# KiCad board CM4ClusterHat.kicad_pcb (continued)
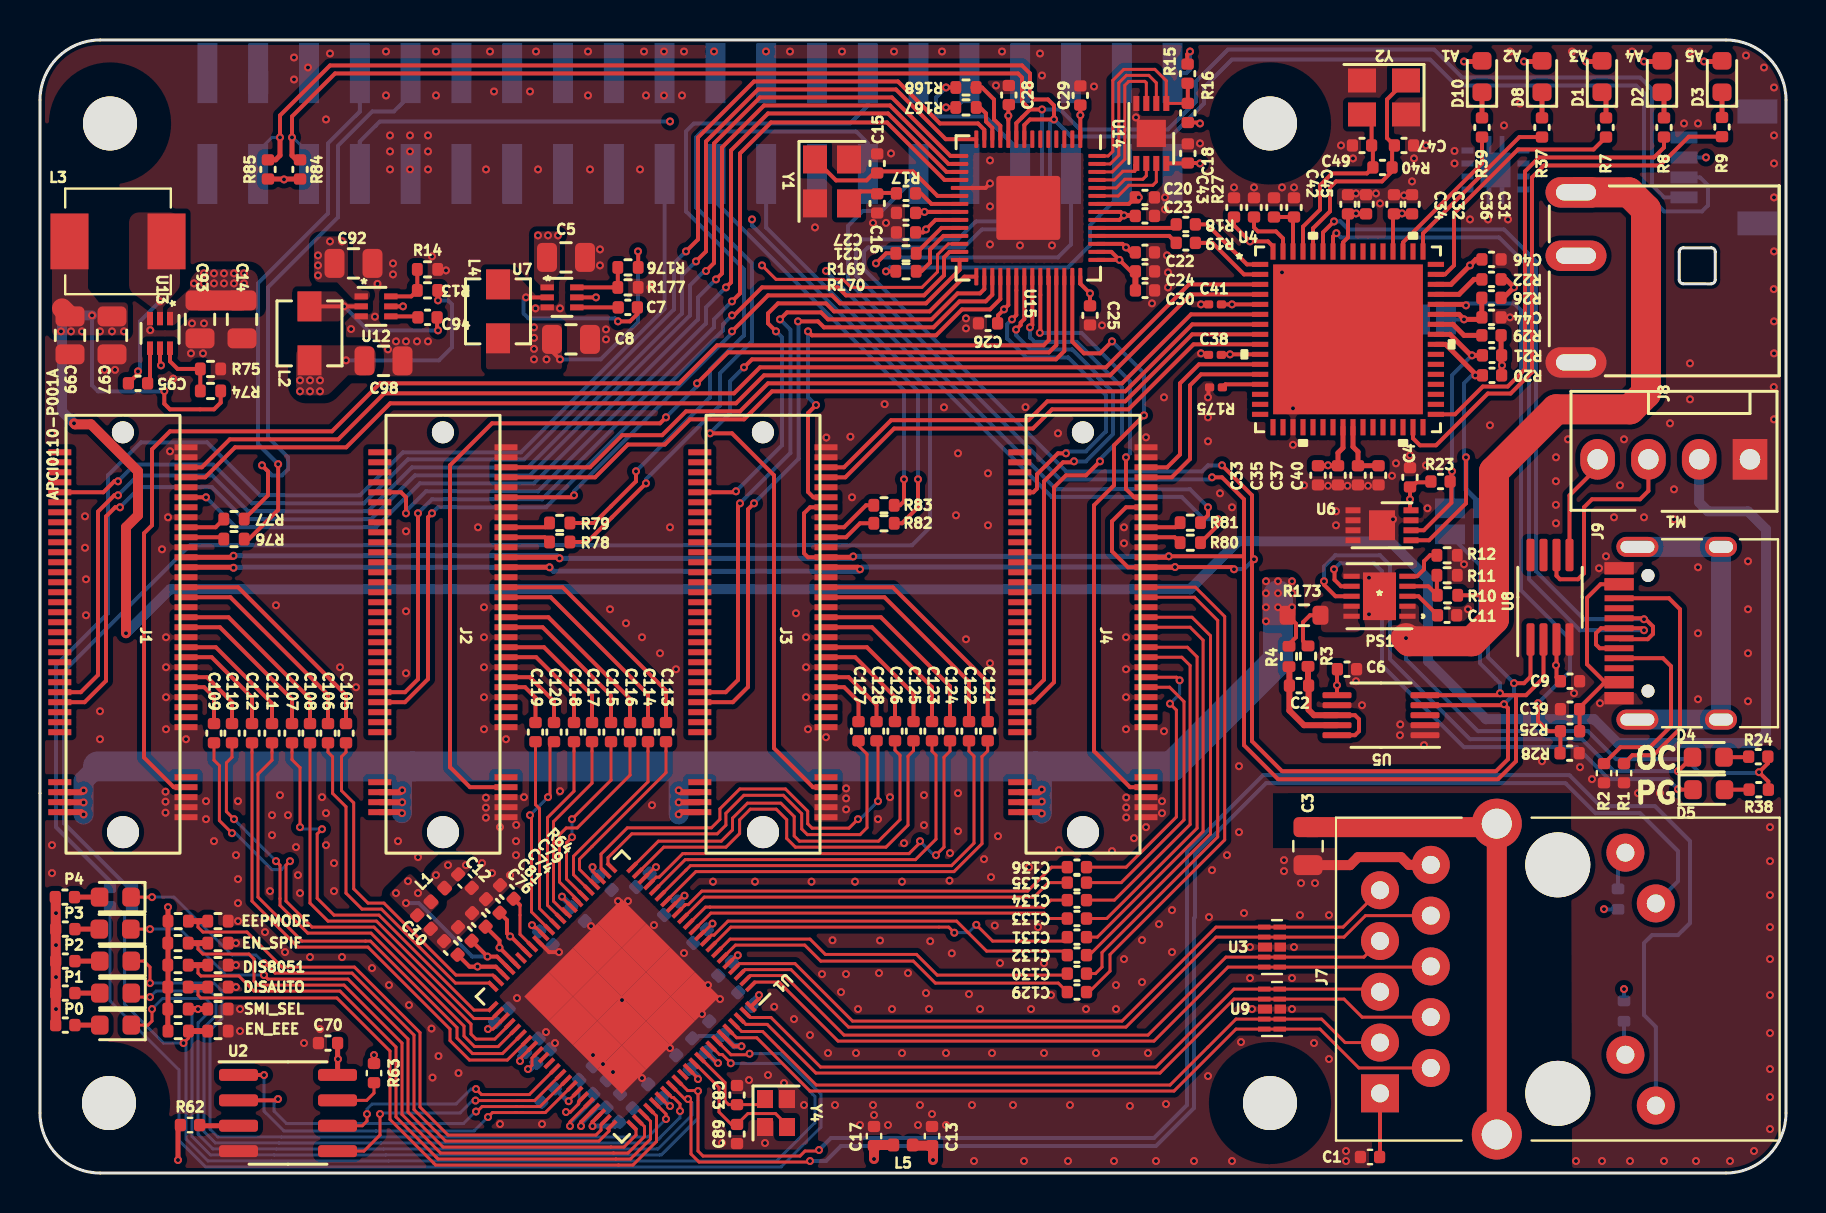
[diagram p0: board, top side]
## Footprints (pads in the part's own frame, mm; a bottom-side part is the same pattern mirrored in y, then rotated) (continued)
TPS73601DRBR
  rect 0.6x0.31 smd: 1(-1.4,0.975) 2(-1.4,0.325) 3(-1.4,-0.325) 4(-1.4,-0.975) 5(1.4,-0.975) 6(1.4,-0.325) 7(1.4,0.325) 8(1.4,0.975)
  rect 0.23x0.825 smd: 9(-0.325,-1.287) 9(-0.325,1.287) 9(0.325,-1.287) 9(0.325,1.287)
  rect 1.5x1.75 smd: 9(0,0)
USB2517-JZX
  rect 0.813x0.254 smd: 1(-4.394,3.75) 2(-4.394,3.25) 3(-4.394,2.75) 4(-4.394,2.25) 5(-4.394,1.75) 6(-4.394,1.25) 7(-4.394,0.75) 8(-4.394,0.25) 9(-4.394,-0.25) 10(-4.394,-0.75) 11(-4.394,-1.25) 12(-4.394,-1.75) 13(-4.394,-2.25) 14(-4.394,-2.75) 15(-4.394,-3.25) 16(-4.394,-3.75) 33(4.394,-3.75) 34(4.394,-3.25) 35(4.394,-2.75) 36(4.394,-2.25) 37(4.394,-1.75) 38(4.394,-1.25) 39(4.394,-0.75) 40(4.394,-0.25) 41(4.394,0.25) 42(4.394,0.75) 43(4.394,1.25) 44(4.394,1.75) 45(4.394,2.25) 46(4.394,2.75) 47(4.394,3.25) 48(4.394,3.75)
  rect 0.254x0.813 smd: 17(-3.75,-4.394) 18(-3.25,-4.394) 19(-2.75,-4.394) 20(-2.25,-4.394) 21(-1.75,-4.394) 22(-1.25,-4.394) 23(-0.75,-4.394) 24(-0.25,-4.394) 25(0.25,-4.394) 26(0.75,-4.394) 27(1.25,-4.394) 28(1.75,-4.394) 29(2.25,-4.394) 30(2.75,-4.394) 31(3.25,-4.394) 32(3.75,-4.394) 49(3.75,4.394) 50(3.25,4.394) 51(2.75,4.394) 52(2.25,4.394) 53(1.75,4.394) 54(1.25,4.394) 55(0.75,4.394) 56(0.25,4.394) 57(-0.25,4.394) 58(-0.75,4.394) 59(-1.25,4.394) 60(-1.75,4.394) 61(-2.25,4.394) 62(-2.75,4.394) 63(-3.25,4.394) 64(-3.75,4.394)
  rect 7.493x7.493 smd: 65(0,0)
USB_C_Receptacle_HRO_TYPE-C-31-M-12
  round 0.65 hole 0.65 unplated: (-2.89,2.6) (2.89,2.6)
  rect 0.6x1.45 smd: A1(-3.25,4.045) A4(-2.45,4.045) A9(2.45,4.045) A12(3.25,4.045) B1(3.25,4.045) B4(2.45,4.045) B9(-2.45,4.045) B12(-3.25,4.045)
  rect 0.3x1.45 smd: A5(-1.25,4.045) A6(-0.25,4.045) A7(0.25,4.045) A8(1.25,4.045) B5(1.75,4.045) B6(0.75,4.045) B7(-0.75,4.045) B8(-1.75,4.045)
  oval 1x2.1 hole 0.6x1.7: S1(-4.32,3.13) S1(4.32,3.13)
  oval 1x1.6 hole 0.6x1.2: S1(-4.32,-1.05) S1(4.32,-1.05)
VSSOP-10_3x3mm_P0.5mm
  rrect 1.45x0.3 smd: 1(-2.2,1) 2(-2.2,0.5) 3(-2.2,0) 4(-2.2,-0.5) 5(-2.2,-1) 6(2.2,-1) 7(2.2,-0.5) 8(2.2,0) 9(2.2,0.5) 10(2.2,1)
XTPS563202DRLR
  rect 0.67x0.3 smd: 1(-0.74,0.5) 2(-0.74,0) 3(-0.74,-0.5) 4(0.74,-0.5) 5(0.74,0) 6(0.74,0.5)

## Nets
+1V1: C10.2 C81.2 C88.2 C90.2 C98.1 L1.1 L2.2 R13.1 U1.41 U1.60 U1.64
+1V1_ANALOG: C12.2 C68.2 C71.2 C73.2 C75.2 C77.2 C79.2 C84.2 C86.2 L1.2 U1.10 U1.15 U1.20 U1.30 U1.38 U1.47 U1.53 U1.88
+3V3: C4.2 C6.1 C8.1 C9.2 C13.2 C18.1 C23.1 C24.1 C25.1 C26.1 C27.1 C28.1 C29.1 C30.1 C31.2 C32.2 C33.2 C34.2 C35.2 C36.2 C38.2 C41.2 C43.2 C46.2 C70.2 C80.2 D1.2 D2.2 D3.2 D8.2 D10.2 J6.2 L4.2 L5.1 R5.2 R6.2 R16.1 R20.1 R21.1 R22.1 R23.1 R26.1 R29.1 R50.1 R52.1 R54.1 R56.1 R58.1 R60.1 R62.2 R63.2 R69.1 R70.1 R71.1 R72.1 R73.1 R84.1 R85.1 R176.1 U1.63 U2.8 U4.5 U4.10 U4.24 U4.46 U4.52 U4.57 U4.64 U5.6 U6.8 U8.3 U14.8 U15.1 U15.10 U15.22 U15.33 U15.42 U15.43 U15.44 U15.48 U15.49
+3V3_ANALOG: C17.2 C69.2 C72.2 C74.2 C76.2 C78.2 C82.2 C85.2 C87.2 L5.2 R65.1 U1.5 U1.25 U1.35 U1.40 U1.42 U1.52 U1.77 U1.83
+5V: C97.1 C99.1 J5.2 J5.4 L3.2 M1.2 R74.1
GND: C1.1 C3.1 C4.1 C5.2 C6.2 C8.2 C9.1 C10.1 C11.2 C12.1 C13.1 C14.2 C15.2 C16.2 C17.1 C18.2 C20.2 C21.2 C22.2 C23.2 C24.2 C25.2 C26.2 C27.2 C28.2 C29.2 C30.2 C31.1 C32.1 C33.1 C34.1 C35.1 C36.1 C37.1 C38.1 C39.1 C40.1 C41.1 C42.1 C43.1 C44.1 C45.1 C46.1 C47.1 C49.1 C68.1 C69.1 C70.1 C71.1 C72.1 C73.1 C74.1 C75.1 C76.1 C77.1 C78.1 C79.1 C80.1 C81.1 C82.1 C83.1 C84.1 C85.1 C86.1 C87.1 C88.1 C89.1 C90.1 C92.2 C93.2 C97.2 C98.2 C99.2 IC1.5 IC1.6 IC1.7 IC1.8 J1.1 J1.3 J1.9 J1.15 J1.21 J1.27 J1.33 J1.39 J1.45 J1.51 J1.57 J1.71 J1.73 J1.75 J2.1 J2.3 J2.9 J2.13 J2.15 J2.21 J2.27 J2.33 J2.39 J2.45 J2.51 J2.57 J2.71 J2.73 J2.75 J3.1 J3.3 J3.9 J3.15 J3.21 J3.27 J3.33 J3.39 J3.45 J3.51 J3.57 J3.71 J3.73 J3.75 J4.1 J4.3 J4.9 J4.15 J4.21 J4.27 J4.33 J4.39 J4.45 J4.51 J4.57 J4.71 J4.73 J4.75 J5.6 J5.9 J5.14 J5.20 J5.25 J5.30 J5.34 J5.39 J6.1 J7.R10 J8.2 J9.A1 J9.A12 J9.B1 J9.B12 JP3.2 M1.1 PS1.6 PS1.11 R1.1 R2.1 R11.2 R12.2 R14.2 R27.2 R28.1 R51.2 R53.2 R55.2 R57.2 R59.2 R61.2 R64.1 R66.1 R67.1 R68.1 R75.2 R175.2 R177.2 U1.36 U1.89 U2.4 U3.3 U3.8 U4.19 U4.65 U5.1 U5.2 U5.7 U6.1 U6.2 U6.3 U6.4 U6.7 U6.9 U7.3 U8.4 U9.3 U9.8 U12.3 U13.3 U14.4 U15.19 U15.57 Y1.2 Y1.4 Y2.2 Y2.4 Y4.2 Y4.4
VBUS_ETH: C39.2 J9.A4 J9.A9 J9.B4 J9.B9 R25.1
/QSPI_SCLK: U14.6 U15.52
/QSPI_SD0: U14.5 U15.53
/QSPI_SD1: U14.2 U15.55
/QSPI_SD2: U14.3 U15.54
/QSPI_SD3: U14.7 U15.51
/QSPI_SS: R15.1 R16.2 U14.1 U15.56
BOOT1: J1.50 U15.14
BOOT2: J2.50 U15.18
BOOT3: J3.50 U15.30
BOOT4: J4.50 U15.35
CFG_SEL0: JP1.1 R21.2 R23.2 U4.41 U6.6
CFG_SEL1: R29.2 U4.42
CFG_SEL2: R175.1 U4.13
DISABLE_8051: R54.2 R55.1 U1.69
DISABLE_AUTOLOAD: R56.2 R57.1 U1.70
EEPROM_MODE: R50.2 R51.1 U1.65
EN1: J1.11 U15.16
EN2: J2.11 U15.28
EN3: J3.11 U15.32
EN4: J4.11 U15.37
EN_EEE: R60.2 R61.1 R166.2 U1.81
EN_SPIFLASH: R52.2 R53.1 U1.68
ETH1_P0+: C105.1 J1.29
ETH1_P0-: C106.1 J1.31
ETH1_P1+: C107.1 J1.37
ETH1_P1-: C108.1 J1.35
ETH1_P2+: C111.1 J1.41
ETH1_P2-: C112.1 J1.43
ETH1_P3+: C109.1 J1.49
ETH1_P3-: C110.1 J1.47
ETH2_P0+: C113.1 J2.29
ETH2_P0-: C114.1 J2.31
ETH2_P1+: C115.1 J2.37
ETH2_P1-: C116.1 J2.35
ETH2_P2+: C117.1 J2.41
ETH2_P2-: C118.1 J2.43
ETH2_P3+: C119.1 J2.49
ETH2_P3-: C120.1 J2.47
ETH3_P0+: C121.1 J3.29
ETH3_P0-: C122.1 J3.31
ETH3_P1+: C123.1 J3.37
ETH3_P1-: C124.1 J3.35
ETH3_P2+: C125.1 J3.41
ETH3_P2-: C126.1 J3.43
ETH3_P3+: C127.1 J3.49
ETH3_P3-: C128.1 J3.47
ETH4_P0+: C129.1 J4.29
ETH4_P0-: C130.1 J4.31
ETH4_P1+: C131.1 J4.37
ETH4_P1-: C132.1 J4.35
ETH4_P2+: C133.1 J4.41
ETH4_P2-: C134.1 J4.43
ETH4_P3+: C135.1 J4.49
ETH4_P3-: C136.1 J4.47
ISENSE_0: J1.69 U15.38
ISENSE_1: J2.69 U15.39
ISENSE_2: J3.69 U15.40
ISENSE_3: J4.69 U15.41
ISENSE_SYS_N: C5.1 C14.1 C92.1 C93.1 J1.70 J1.72 J1.74 J2.70 J2.72 J2.74 J3.70 J3.72 J3.74 J4.70 J4.72 J4.74 R4.2 R173.1 U7.1 U7.5 U12.1 U12.5 U13.1 U13.5
ISENSE_SYS_P: PS1.9 PS1.10 R3.2 R173.2
LED_A1_N: R39.1 U4.51
LED_A2_N: R37.1 U4.49
LED_A3_N: R7.1 U4.47
LED_A4_N: R8.1 U4.33
LED_A5_N: R9.1 U4.31
LED_B1_N: U4.50
LED_B2_N: U4.48
LED_B3_N: U4.34
LED_B4_N: U4.32
LED_B5_N: U4.18
MDC: J5.23 R166.1
MDIO: J5.19 R174.1
P0_LED0: J7.L4 R58.2 R59.1 U1.75
P0_LED1: D19.1 J7.L2 U1.74
P1_LED1: D18.1 U1.73
P2_LED1: D17.1 U1.71
P3_LED1: D16.1 U1.67
P4_LED1: D15.1 U1.66
PICO_RST: J5.22 U15.26
RPI_ACT_LED1: J1.54
RPI_ACT_LED2: J2.54
RPI_ACT_LED3: J3.54
RPI_ACT_LED4: J4.54
RST1: J1.10 U15.13
RST2: J2.10 U15.17
RST3: J3.10 U15.29
RST4: J4.10 U15.34
RUN1: J1.52 U15.15
RUN2: J2.52 U15.27
RUN3: J3.52 U15.31
RUN4: J4.52 U15.36
SCL_RPI: J1.23 J2.23 J3.13 J3.23 J4.23 J5.5 J6.4 JP1.2 R84.2 U5.5 U8.2 U15.9
SDA_RPI: J1.25 J2.25 J3.25 J4.13 J4.25 J5.3 J6.3 JP2.2 R85.2 U5.4 U8.1 U15.8
SDA_USBHUB: JP2.1 R20.2 U4.40 U6.5
SPI_CS: U1.59 U2.1
SPI_D0: U1.57 U2.5
SPI_D1: U1.58 U2.2
SPI_SCK: U1.56 U2.6
SWCLK: R169.2 U15.24
SWD: R170.2 U15.25
UART_RX1: J1.19 R76.2
UART_RX2: J2.19 R78.1
UART_RX3: J3.19 R82.1
UART_RX4: J4.19 R80.1
UART_RX5: R167.1 U15.12
UART_TX1: J1.17 R77.2
UART_TX2: J2.17 R79.1
UART_TX3: J3.17 R83.1
UART_TX4: J4.17 R81.1
UART_TX5: R168.1 U15.11
USB1_DN: J1.7 U4.4
USB1_DP: J1.5 U4.3
USB2_DN: J2.7 U4.7
USB2_DP: J2.5 U4.6
USB3_DN: J3.7 U4.9
USB3_DP: J3.5 U4.8
USB4_DN: J4.7 U4.12
USB4_DP: J4.5 U4.11
USB_D+: J9.A6 J9.B6 U4.59
USB_D-: J9.A7 J9.B7 U4.58
USBHUB_RESET: C44.2 JP3.1 R26.2 U4.43
USBpico_DN: R19.1 U4.2
USBpico_DP: R18.1 U4.1
~{USB_BOOT}: J5.40 R15.2
Net-(C1-Pad2): C1.2 J7.R1
Net-(C2-Pad1): C2.1 R4.1 U5.9
Net-(C2-Pad2): C2.2 R3.1 U5.8 U5.10
Net-(C3-Pad2): C3.2 J7.SH
Net-(C7-Pad1): C7.1 U7.4
Net-(C7-Pad2): C7.2 L4.1 U7.2
Net-(C11-Pad1): C11.1 PS1.3
Net-(C15-Pad1): C15.1 U15.20 Y1.1
Net-(C16-Pad1): C16.1 R17.2 Y1.3
Net-(C20-Pad1): C20.1 C21.1 C22.1 U15.23 U15.45 U15.50
Net-(C37-Pad2): C37.2 C40.2 U4.25
Net-(C42-Pad2): C42.2 C45.2 U4.62
Net-(C83-Pad2): C83.2 U1.79 Y4.1
Net-(C89-Pad2): C89.2 U1.78 Y4.3
Net-(C94-Pad1): C94.1 U12.4
Net-(C94-Pad2): C94.2 L2.1 U12.2
Net-(C95-Pad1): C95.1 U13.4
Net-(C95-Pad2): C95.2 L3.1 U13.2
Net-(C105-Pad2): C105.2 U1.43
Net-(C106-Pad2): C106.2 U1.44
Net-(C107-Pad2): C107.2 U1.45
Net-(C108-Pad2): C108.2 U1.46
Net-(C109-Pad2): C109.2 U1.48
Net-(C110-Pad2): C110.2 U1.49
Net-(C111-Pad2): C111.2 U1.50
Net-(C112-Pad2): C112.2 U1.51
Net-(C113-Pad2): C113.2 U1.26
Net-(C114-Pad2): C114.2 U1.27
Net-(C115-Pad2): C115.2 U1.28
Net-(C116-Pad2): C116.2 U1.29
Net-(C117-Pad2): C117.2 U1.31
Net-(C118-Pad2): C118.2 U1.32
Net-(C119-Pad2): C119.2 U1.33
Net-(C120-Pad2): C120.2 U1.34
Net-(C121-Pad2): C121.2 U1.16
Net-(C122-Pad2): C122.2 U1.17
Net-(C123-Pad2): C123.2 U1.18
Net-(C124-Pad2): C124.2 U1.19
Net-(C125-Pad2): C125.2 U1.21
Net-(C126-Pad2): C126.2 U1.22
Net-(C127-Pad2): C127.2 U1.23
Net-(C128-Pad2): C128.2 U1.24
Net-(C129-Pad2): C129.2 U1.6
Net-(C130-Pad2): C130.2 U1.7
Net-(C131-Pad2): C131.2 U1.8
Net-(C132-Pad2): C132.2 U1.9
Net-(C133-Pad2): C133.2 U1.11
Net-(C134-Pad2): C134.2 U1.12
Net-(C135-Pad2): C135.2 U1.13
Net-(C136-Pad2): C136.2 U1.14
Net-(D1-Pad1): D1.1 R7.2
Net-(D2-Pad1): D2.1 R8.2
Net-(D3-Pad1): D3.1 R9.2
Net-(D4-Pad1): D4.1 PS1.8
Net-(D4-Pad2): D4.2 R24.1
Net-(D5-Pad1): D5.1 PS1.7
Net-(D5-Pad2): D5.2 R38.1
Net-(D8-Pad1): D8.1 R37.2
Net-(D10-Pad1): D10.1 R39.2
Net-(D16-Pad2): D16.2 R70.2
Net-(D17-Pad2): D17.2 R71.2
Net-(D18-Pad2): D18.2 R72.2
Net-(D19-Pad2): D19.2 R73.2
Net-(IC1-Pad1): IC1.1 IC1.2 IC1.3 IC1.4 J8.1 PS1.1 PS1.2 R10.1 R24.2 R38.2
Net-(J5-Pad7): J5.7 R80.2
Net-(J5-Pad8): J5.8 R76.1
Net-(J5-Pad10): J5.10 R77.1
Net-(J5-Pad21): J5.21 R83.2
Net-(J5-Pad24): J5.24 R82.2
Net-(J5-Pad27): J5.27 R78.2
Net-(J5-Pad28): J5.28 R79.2
Net-(J5-Pad29): J5.29 R81.2
Net-(J5-Pad32): J5.32 R167.2
Net-(J5-Pad33): J5.33 R168.2
Net-(J5-Pad35): J5.35 R169.1
Net-(J5-Pad37): J5.37 R170.1
Net-(J7-PadL1): J7.L1 R5.1
Net-(J7-PadL3): J7.L3 R6.1
Net-(J7-PadR2): J7.R2 U1.84 U9.5 U9.6
Net-(J7-PadR3): J7.R3 U1.85 U9.4 U9.7
Net-(J7-PadR4): J7.R4 U1.86 U9.2 U9.9
Net-(J7-PadR5): J7.R5 U1.87 U9.1 U9.10
Net-(J7-PadR6): J7.R6 U1.1 U3.5 U3.6
Net-(J7-PadR7): J7.R7 U1.2 U3.4 U3.7
Net-(J7-PadR8): J7.R8 U1.3 U3.2 U3.9
Net-(J7-PadR9): J7.R9 U1.4 U3.1 U3.10
Net-(J9-PadA5): J9.A5 R2.2
Net-(J9-PadB5): J9.B5 R1.2
Net-(M1-Pad3): M1.3 U8.6
Net-(M1-Pad4): M1.4 U8.5
Net-(PS1-Pad4): PS1.4 R10.2 R11.1
Net-(PS1-Pad5): PS1.5 R12.1
Net-(R13-Pad2): R13.2 R14.1 U12.6
Net-(R17-Pad1): R17.1 U15.21
Net-(R18-Pad2): R18.2 U15.47
Net-(R19-Pad2): R19.2 U15.46
Net-(R22-Pad2): R22.2 U4.45
Net-(R25-Pad2): R25.2 R28.2 U4.44
Net-(R64-Pad2): R64.2 U1.37
Net-(R65-Pad2): R65.2 U1.80
Net-(R66-Pad2): R66.2 U1.61
Net-(R67-Pad2): R67.2 U1.62
Net-(R68-Pad2): R68.2 U1.72
Net-(R69-Pad2): D15.2 R69.2
Net-(R74-Pad2): R74.2 R75.1 U13.6
Net-(R174-Pad2): R174.2 U1.82
Net-(R176-Pad2): R176.2 R177.1 U7.6
Net-(U2-Pad3): R62.1 U2.3
Net-(U2-Pad7): R63.1 U2.7
Net-(U4-Pad60): C47.2 R40.1 U4.60 Y2.1
Net-(U4-Pad61): C49.2 R40.2 U4.61 Y2.3
Net-(U4-Pad63): R27.1 U4.63

Pads without a net: IC1 9; J1 2 4 6 8 12 13 14 16 18 20 22 24 26 28 30 32 34 36 38 40 42 44 46 48 53 55 56 58 67 68; J2 2 4 6 8 12 14 16 18 20 22 24 26 28 30 32 34 36 38 40 42 44 46 48 53 55 56 58 67 68; J3 2 4 6 8 12 14 16 18 20 22 24 26 28 30 32 34 36 38 40 42 44 46 48 53 55 56 58 67 68; J4 2 4 6 8 12 14 16 18 20 22 24 26 28 30 32 34 36 38 40 42 44 46 48 53 55 56 58 67 68; J5 1 11 12 13 15 16 17 18 26 31 36 38; J6 NC1 NC2; J8 3; J9 A8 B8 S1; U1 39 54 55 76; U4 14 15 16 17 20 21 22 23 26 27 28 29 30 35 36 37 38 39 53 54 55 56; U5 3; U8 7 8; U15 2 3 4 5 6 7

## Via types
v1: diameter 0.4, hole 0.2, Top to Bottom, 758 vias

## Routing (per net, layer and track width the routed paths; a pad name or vN(x,y) marks a point on that pad's centre or on a via; arc(x,y) is an arc through that point)
+1V1: length 65.2
  Top w0.15: U1.60 26.43,3.63 v1(26.43,3.59)
  Top w0.2: U1.64 27.62,2.56 v1(27.62,2.35) ; 19.89,44.15 19.89,43.66 v1(19.9,43.65) ; U1.41 22.85,10.83 v1(22.37,10.83) C81.2
  In2.Cu w0.3: 18.2,14.2 18.3,14.1 18.3,9.3 24.01,3.59 v1(26.43,3.59) 26.51,3.59 27.62,2.48 v1(27.62,2.35)
  In2.Cu w1.5: 18.2,14.2 15.7,16.7 15.7,20.2 13.5,22.4 v1(13.5,39.1)
  Bottom w0.2: v1(15.3,40.65) 19.95,40.65 20.6,41.3 20.6,43.45 20.4,43.65 v1(19.9,43.65) ; v1(27.62,2.35) 28.25,2.35 28.25,2.35 ; v1(18.3,13.5) 18.94,13.5 21.61,10.83 v1(22.37,10.83)
  Bottom w0.25: v1(26.43,3.59) 26.39,3.59 C88.2 ; v1(27.62,2.35) 28.75,2.35 C90.2
  vias: v1(13,39.65) v1(13,39.1) v1(13.5,39.65) v1(14,39.65) v1(14,39.1) v1(17.8,14) v1(18.4,14.6) v1(18.9,14)
+1V1_ANALOG: length 13
  Top w0.15: 31.53,13.25 32.18,13.9 32.2,13.9 ; 30.12,14.66 30.75,15.3 v1(30.8,15.3) ; U1.10 33.03,11.89 33.6,12.46 ; v1(24.4,5.2) 24.41,5.2 24.6,5.39 24.6,5.75 24.99,6.14 ; 23.5,11.87 23.5,11.9 ; 22.6,7.2 22.65,7.2 23.29,7.84 ; 26.69,13.21 26.1,13.8
  Top w0.2: v1(35.95,8.9) 35.95,8.72 U1.88 ; U1.38 23.54,11.83 v1(23.51,11.83) 23.35,11.99 23.35,12.65 C79.2
  Bottom w0.3: 33.6,12.47 33.37,12.25 ; 30.48,15 30.5,15 v1(30.8,15.3) ; 35.55,8.4 35.62,8.47 35.62,8.58 v1(35.95,8.9) ; 24.92,5.62 24.5,5.2 v1(24.4,5.2) ; 22.87,7.67 v1(22.4,7.2) ; 32.2,13.9 31.87,13.58 ; 26.55,13.35 26.55,13.38 v1(26.1,13.83)
  vias: v1(19.8,14.9) v1(20.4,15.4) v1(21.3,15.4) v1(32.23,13.88) v1(33.62,12.47)
+3V3: length 88.4
  Top w0.2: C8.1 25.6,41.1 v1(26,40.7) ; U14.8 57.37,50.5 C18.1 57.98,50.52 v1(58,50.5) ; C43.2 59.7,47.4 v1(60.5,46.6) 61.4,46.6 61.65,46.35 U4.64 ; 45.02,48.08 44.09,48.08 44.04,48.02 ; 45.02,48.08 45.98,48.08 ; 45.02,48.08 v1(44.23,48.08) ; 52.85,46.08 53.57,46.08 54.09,45.56 ; U4.52 67.65,47.91 ; C38.2 59.09,40.95 v1(59.5,40.95) U4.10 ; v1(58,52.5) 57.95,52.55 R16.1 ; U1.63 27.05,2.55 v1(27.05,2.35) ; U15.42 52.02,44.48 v1(52.5,44) C25.1 ; 48.42,52.68 v1(48.42,52.88) ; 48.42,52.68 U15.10 ; 48.42,52.68 48.42,53.41 C28.1 ; C6.1 64.85,25.18 U5.6 ; U4.5 v1(59.6,43.45) C41.2 ; R176.1 29.91,46.09 v1(29.9,46.1) ; 69.58,34.55 68.83,34.55 68.5,34.22 68.5,33.25 ; C24.1 54.55,45.1 54.09,45.56 ; 52.85,48.08 54.02,48.08 v1(54.2,47.9) 53.98,47.67 U15.48 ; 54.09,45.56 v1(53.97,45.67) U15.43 ; U4.57 65.15,46.55 65.4,46.8 65.4,47.9 ; C29.1 v1(52.02,52.92) U15.1 ; 47.9,42.6 47.9,42.9 48.42,43.42 U15.33 ; C9.2 75.83,24.8 U8.3
  Top w0.25: D8.2 75.07,55.6 v1(74.2,55.6) ; C34.2 C32.2 ; U4.24 65.15,36.27 64.9,36.02 C35.2 C33.2 ; 16.7,5.32 v1(16.7,5.9) ; R60.1 6.39,7.11 R58.1 6.4,8.21 R50.1 v1(6.4,13.3) ; 71.9,55.61 71.89,55.6 v1(71.2,55.6) ; v1(77.3,55.6) 78.29,55.6 ; R26.1 73.17,43.77 v1(73.7,44.3) 73.3,44.7 R22.1 ; D3.2 84.07,55.6 v1(83.2,55.6) ; v1(80.2,55.6) 81.13,55.6 ; C70.2 14.88,4.91 14.88,4.91 ; C46.2 71.8,45.7 70.55,44.45 U4.46 ; R85.1 12.18,49.72 v1(12.2,49.7) 12.22,49.72 R84.1 ; C23.1 54.74,47.9 v1(54.2,47.9) ; C36.2 C31.2 ; R29.1 73.05,39.92 R20.1 ; 6.92,2.4 6.9,2.38 v1(6.9,0.65)
  Top w0.3: C24.1 C30.1
  Top w0.5: R69.1 0.78,13.78 R72.1 R73.1 ; L5.1 43.67,1.37 C13.2 44.65,1.32 v1(44.65,0.65)
  Bottom w0.2: v1(83.3,50.8) 83.3,50.8 J6.2 ; v1(78.2,13.2) 78.21,13.19 R5.2 ; v1(26,40.7) 28.04,40.7 29.9,42.56 v1(29.9,46.1) ; R6.2 v1(79.2,9.2) ; 27.05,2.44 v1(27.05,2.35)
  Bottom w0.25: v1(27.05,2.35) 27.05,2.47 27.86,3.28 C80.2
  vias: v1(0.8,13) v1(0.8,11.4) v1(0.8,9.8) v1(0.8,8.2) v1(14.9,5.7) v1(24.7,42.3) v1(24.7,41.77) v1(24.7,41.22) v1(24.7,40.7) v1(25.33,40.7) v1(48.2,43.2) v1(64.4,35.4) v1(64.85,24.4) v1(65.8,48) v1(68.1,48) v1(68.5,33.7) v1(71.5,45.4) v1(73.1,40.4) v1(75.8,25.4)
+3V3_ANALOG: length 68.2
  Top w0.15: v1(24,5.6) 24,5.72 24.71,6.43 ; 23.86,10.39 23,11.24 23,11.3 ; v1(34.89,10.89) 34.83,10.89 34.32,10.39 ; 24.8,12.27 24.8,12.27 25.27,11.8 ; 24.8,12.27 U1.35 ; 24.8,12.27 24.73,12.27 v1(24.6,12.4) ; v1(27.63,15.3) 27.63,15.1 U1.25 ; U1.77 32.9,4.74 v1(32.9,4.7) ; 23.29,9.82 22.81,10.3 21.49,10.3
  Top w0.2: U1.83 34.69,6.34 v1(35.07,6.34) ; U1.40 23.77,10.48 v1(22.98,11.27) 22.98,11.62 C74.2 ; C76.2 21.48,10.33 v1(21.87,10.33) 22.79,10.33 U1.42
  Top w0.5: L5.2 41.73,1.4 C17.2 v1(41.7,0.7)
  In2.Cu w0.3: 34.17,7.22 35.06,6.34 v1(35.07,6.34) ; v1(24.6,12.4) 25.27,11.72 25.27,11.62 ; v1(22.98,11.27) 23.83,10.42 23.83,10.17 ; v1(24,5.6) 24,6.1
  In2.Cu w0.5: 23.67,10.58 24.23,10.58 ; 23.67,10.58 v1(22.98,11.27) ; 23.67,10.58 23.67,10.33 23.83,10.17 ; v1(32.9,4.7) 32.9,5.95 ; v1(27.63,15.3) 27.85,15.3 28.4,14.75 ; 34.87,7.92 35.62,7.92 38.9,4.65 38.9,2.65 40.85,0.7 v1(41.7,0.7) ; 23.05,9.4 22.8,9.4 v1(21.87,10.33) ; v1(34.89,10.89) 34.35,10.35
  In2.Cu w0.8: 32.9,5.95 34.87,7.92 34.87,9.83 29.95,14.75 28.4,14.75 23.05,9.4 23.05,8.05 24,7.1 24,6.1
  Bottom w0.2: 34.03,7.02 33.85,6.85 32.95,6.85 32.72,6.63
  Bottom w0.3: 34.48,10.44 34.9,10.86 34.9,10.88 ; 24.37,6.17 24,5.8 v1(24,5.6) ; v1(35.07,6.34) 34.71,6.34 34.03,7.02 ; 32.89,4.72 32.89,4.83 32.52,5.2 32.5,5.2 ; 34.1,6.95 34.11,6.95 ; 27.92,14.85 27.63,15.15 v1(27.63,15.3) ; v1(24.6,12.4) 24.9,12.1
+5V: length 139.2
  Top w0.2: v1(6.22,39.11) 6.22,38.48 6.49,38.2 8.7,38.2 9.03,38.53 R74.1
  Top w0.5: v1(4.3,27) 4.3,32.3 4.9,32.9 4.9,35.1 2.55,37.45 1.75,37.45 v1(1.7,37.5)
  Top w1: C99.1 1.1,43.25
  Bottom w0.2: v1(2.6,42.9) 2.6,39.4 2.9,39.1 6.26,39.1
  Bottom w0.5: v1(1.7,37.5) 1.1,38.1 1.1,42.7 1.3,42.9 v1(2.6,42.9) ; 82.96,35.3 82.96,33.54 83.4,33.1 85.4,33.1 86.3,32.2 86.3,22 85.8,21.5 78.9,21.5 77.7,22.7 72.3,22.7 69.4,25.6 69.4,29.7 67.5,31.6 59.9,31.6 57.5,29.2 6.5,29.2 v1(4.3,27)
  Bottom w1: J5.4 10.91,54.06
  vias: v1(1.05,42.1) v1(1.55,42.1) v1(2.1,42.1) v1(3,42.1) v1(3.6,42.1) v1(4.2,42.1)
GND: length 9.9
  Top w0.2: U15.19 47.27,49.27 v1(47.5,49.5) ; U1.36 25.46,11.05 v1(25.95,11.05) ; 58.42,39.35 58.42,38.83 v1(58.4,38.8)
  Top w0.5: J7.R10 68.43,15.41 68.05,15.8 65.9,15.8 65.5,15.4 C3.1
  vias: v1(0.6,37) v1(0.6,16.4) v1(0.6,15) v1(2.25,32.85) v1(2.25,31.27) v1(2.3,29.7) v1(2.3,27.9) v1(3,23.1) v1(3,21.7) v1(3.22,40.17) v1(3.75,40.17) v1(5.51,42.16) v1(6.1,31.2) v1(6.3,26.8) v1(6.3,25.3) v1(6.3,23.8) v1(6.3,22.2) v1(6.27,19.08) v1(6.27,18.58) v1(6.27,18.02) v1(6.4,32.8) v1(6.5,36.1) v1(6.66,39.73) v1(7.3,21.7) v1(7.55,41) v1(7.6,42.5) v1(8.15,41) v1(8.2,42.5) v1(8.3,18.6) v1(8.3,17.7) v1(8.7,16.6) v1(9.8,15.9) v1(9.8,11.5) v1(9.8,10.4) v1(9.8,9.3) v1(9.9,18.6) v1(9.9,14.7) v1(9.9,13.5) v1(9.9,12.6) v1(10,8.2) v1(10,7.1) v1(11.25,12.05) v1(11.5,14.1) v1(11.6,17.9) v1(11.6,16.9) v1(11.8,28.4) v1(12,18.9) v1(12.25,11.05) v1(12.4,17.9) v1(12.7,55.8) v1(12.7,54.7) v1(12.8,16.3) v1(12.9,14.9) v1(13,14) v1(13.2,6.5) v1(13.4,55.3) v1(13.5,10.8) v1(14,7.2) v1(14.1,18.8) v1(14.3,52.7) v1(14.3,18) v1(14.3,16.4) v1(14.5,56) v1(14.7,15.5) v1(14.7,14.1) v1(15,25.3) v1(15.1,10.8) v1(15.55,42.22) v1(15.8,24.3) v1(16.6,10.25) v1(16.74,42.83) v1(16.88,44.47) v1(17.3,56.1) v1(17.3,53.9) v1(17.4,41.2) v1(17.5,51.9) v1(17.5,51.1) v1(17.5,50.2) v1(17.45,9.4) v1(17.65,45.5) v1(17.65,44.95) v1(17.8,41.6) v1(17.9,16.6) v1(18.3,41.6) v1(18.3,32.1) v1(18.3,28.1) v1(18.3,25) v1(18.5,51.9) v1(18.5,51.1) v1(18.5,50.2) v1(18.45,8.4) v1(18.85,41.6) v1(18.9,15.8) v1(19.4,51.9) v1(19.4,51.1) v1(19.4,50.2) v1(19.4,41.6) v1(19.6,45.85) v1(19.58,7.22) v1(19.62,4.77) v1(19.8,56.1) v1(19.8,53.9) v1(19.92,5.85) v1(20.3,45.15) v1(20.92,5) v1(21.9,32.3) v1(22.1,15.5) v1(22.2,28.3) v1(22.2,26.8) v1(22.2,25.3) v1(22.2,23.8) v1(22.2,22.2) v1(22.3,50.2) v1(22.3,18.77) v1(22.3,18.27) v1(22.3,17.77) v1(22.5,56.1) v1(22.6,15) v1(22.7,54.1) v1(23,17.3) v1(23,2.45) v1(23.3,21.7) v1(23.5,14.9) v1(23.81,17.41) v1(23.8,16.6) v1(23.8,15.9) v1(23.85,8.75) v1(24.2,18.8) v1(24.5,54.1) v1(24.8,56.1) v1(24.77,43.25) v1(24.9,50.2) v1(25.1,2.45) v1(25.3,7.05) v1(25.75,6.5) v1(26,43.25) v1(26,19.1) v1(27.4,56.1) v1(27.4,53.9) v1(27.5,50.2) v1(27.55,12.35) v1(27.65,5.9) v1(28,46.2) v1(28,45.4) v1(28.15,5.45) v1(28.3,42.2) v1(28.3,41.7) v1(28.5,28.2) v1(28.65,5.05) v1(28.9,13.6) v1(29.1,8.65) v1(29.3,27.5) v1(29.4,13.6) v1(30,50.2) v1(30.1,26.8) v1(30.1,4.75) v1(30.2,56.1) v1(30.3,53.9) v1(30.52,44.3) v1(30.6,18.4) v1(30.7,12.4) v1(31,26) v1(31.2,56.1) v1(31.2,53.9) v1(31.5,32.3) v1(31.5,6.25) v1(31.8,25.2) v1(32.1,53.9) v1(32.2,56.1) v1(32.2,11) v1(33.1,7.95) v1(33.4,9.4) v1(33.65,14.58) v1(34,8.7) v1(34.1,1.5) v1(35.45,4.65) v1(35.75,14.58) v1(36.25,1.5) v1(36.4,4.9) v1(36.71,8.31) v1(37.2,4.5) v1(37.5,56.1) v1(37.7,7.7) v1(37.8,28) v1(38.2,3.4) v1(38.3,26.8) v1(38.3,25.3) v1(38.3,23.8) v1(38.4,22.2) v1(38.5,6.9) v1(38.58,14.58) v1(38.75,47.3) v1(39.1,9.95) v1(39.31,36.79) v1(39.3,21.8) v1(39.4,6) v1(39.62,11.64) v1(39.75,3.4) v1(40.1,56.1) v1(40.05,9.05) v1(40.3,19.24) v1(40.3,18.74) v1(40.3,18.19) v1(40.3,9.95) v1(40.52,36.83) v1(40.6,33.8) v1(40.75,14.58) v1(40.8,6) v1(40.9,8.2) v1(41,2.4) v1(41.65,47.52) v1(41.65,3.4) v1(41.7,2.9) v1(41.9,17.7) v1(42,11.63) v1(41.95,10) v1(42.23,38.46) v1(42.3,47.52) v1(42.4,2.4) v1(42.55,51) v1(42.5,18.8) v1(42.6,8.2) v1(42.7,56.1) v1(43.1,14.58) v1(43.1,6) v1(43.2,16.5) v1(43.4,10) v1(43.9,2.4) v1(44,3.4) v1(44.2,18.9) v1(44.2,17.4) v1(44.3,9) v1(44.51,11.59) v1(44.45,8.2) v1(44.6,2.95) v1(45.1,56.1) v1(45.2,38.3) v1(45.3,6) v1(45.3,2.4) v1(45.5,16) v1(45.48,14.62) v1(45.59,10.99) v1(45.8,32.9) v1(45.9,36) v1(45.9,19) v1(45.9,17.1) v1(46.3,42.75) v1(46.3,42.25) v1(46.3,26.7) v1(46.45,8.95) v1(46.6,3.4) v1(46.7,0.6) v1(47,8.2) v1(47.2,15.7) v1(47.4,35) v1(47.4,32.4) v1(47.5,50.65) v1(47.5,48.35) v1(47.5,46.45) v1(47.5,25.5) v1(47.55,14.8) v1(47.6,6) v1(47.74,12.38) v1(47.8,54.4) v1(47.9,16.85) v1(48,10.5) v1(48.1,56.1) v1(48.65,3.4) v1(48.8,8.9) v1(49,46.4) v1(49.2,0.6) v1(49.27,38.31) v1(49.45,15.3) v1(49.55,8.2) v1(49.9,12.3) v1(50,56) v1(50.1,54.9) v1(50.2,10.5) v1(50.2,6) v1(50.55,8.9) v1(50.6,46.4) v1(50.9,37) v1(50.95,16.15) v1(51.4,0.6) v1(51.5,3.4) v1(52.3,8.2) v1(52.7,54.35) v1(52.8,6) v1(53.1,42.4) v1(53.6,16.1) v1(53.7,0.6) v1(53.8,9.4) v1(53.8,8.2) v1(54.2,32.3) v1(54.2,31.5) v1(54.2,10.7) v1(54.3,26.8) v1(54.3,25.2) v1(54.3,23.8) v1(54.3,22.2) v1(54.31,18.78) v1(54.31,18.28) v1(54.31,17.78) v1(54.49,3.35) v1(54.7,16.75) v1(54.8,52.8) v1(55.1,11.65) v1(55.1,9.55) v1(55.3,36.8) v1(55.3,17.3) v1(55.4,6) v1(55.6,43.5) v1(55.8,0.6) v1(55.95,12.45) v1(56.1,18.6) v1(56.1,18) v1(56.25,48.8) v1(56.25,48.2) v1(56.2,38.8) v1(56.2,22.1) v1(56.3,3.45) v1(56.35,45.9) v1(56.4,45.05) v1(56.4,44.3) v1(56.6,13.15) v1(56.6,11.05) v1(57.7,0.6) v1(58,51.5) v1(58.05,43.45) v1(58.05,41) v1(58.4,37.8) v1(58.4,36.6) v1(58.4,4.85) v1(58.45,12.8) v1(58.6,15.15) v1(59,34) v1(59.35,15.9) v1(59.6,33.3) v1(59.6,0.6) v1(59.7,49.3) v1(59.95,20.35) v1(59.95,17.05) v1(60.05,6.55) v1(60.2,13) v1(60.5,11.3) v1(60.5,9.75) v1(60.6,8.2) v1(60.7,49.3) v1(62.1,49.3) v1(62.1,45.05) v1(62.2,15.65) v1(62.2,15.1) v1(62.65,38.25) v1(62.65,36.42) v1(62.6,9.75) v1(62.6,8.2) v1(62.7,49.3) v1(62.7,11.3) v1(63,12.9) v1(63.05,14.5) v1(63.2,34.4) v1(63.75,14.5) v1(63.7,6.5) v1(64.4,34.38) v1(64.45,12.9) v1(64.45,5.7) v1(64.8,33.1) v1(64.8,32.4) v1(65.05,51.4) v1(65.3,1.1) v1(65.3,0.6) v1(65.37,34.38) v1(65.65,50.75) v1(65.8,49) v1(65.8,24.6) v1(66.1,23.4) v1(66.4,34.38) v1(66.45,29.77) v1(66.45,27.95) v1(66.8,49) v1(67,48.5) v1(67.6,34.88) v1(67.65,32.7) v1(67.8,35.5) v1(68.01,22.44) v1(68,21.9) v1(68.2,48.9) v1(68.5,35.9) v1(68.6,49.6) v1(68.7,50.75) v1(69.2,21.4) v1(69.3,51.4) v1(69.3,35.4) v1(69.37,33.25) v1(70.73,51.12) v1(70.73,50.5) v1(71.2,30.45) v1(71.4,28.2) v1(71.5,47.7) v1(72.4,47.7) v1(72.5,37.4) v1(73.2,52.4) v1(73.4,47.7) v1(73.5,56.1) v1(73.5,42.8) v1(74,53.5) v1(75.1,20.6) v1(75.8,35.8) v1(75.8,34.6) v1(75.8,33.42) v1(75.8,32.5) v1(76.4,36.7) v1(76.6,56.1) v1(76.7,24) v1(76.8,0.6) v1(77,20.3) v1(77.6,19.7) v1(77.95,30.25) v1(78,23.5) v1(78.1,0.6) v1(78.3,30.85) v1(78.7,32.8) v1(79,34.4) v1(79.2,36.7) v1(79.5,0.6) v1(79.6,56.1) v1(79.9,19) v1(80.2,32.8) v1(81,19) v1(81.2,0.6) v1(81.5,37.5) v1(81.7,34.2) v1(81.7,32.7) v1(82.2,52.5) v1(82.5,56.1) v1(82.5,40.5) v1(82.5,38.7) v1(82.8,0.6) v1(82.9,52.5) v1(82.9,30.3) v1(82.9,27) v1(82.9,23.7) v1(84.5,0.6) v1(85.3,55.9) v1(85.4,30.6) v1(85.4,28.2) v1(85.4,26) v1(85.4,23.6) v1(85.7,1.1) v1(86.2,55.3) v1(86.5,17.3) v1(86.5,15.6) v1(86.5,13.9) v1(86.5,12.3) v1(86.5,10.7) v1(86.5,8.9) v1(86.5,7) v1(86.5,5.2) v1(86.5,3.8) v1(86.5,2.2) v1(86.7,54.3) v1(86.7,51.9) v1(86.7,50.5) v1(86.7,48.8) v1(86.7,46.1) v1(86.69,44.21) v1(86.7,42.6) v1(86.7,41) v1(86.69,39.32) v1(86.7,37.7)
VBUS_ETH: length 10.2
  Top w0.2: 78.25,24.55 76.98,23.28 C39.2 R25.1 ; 78.25,24.55 77.35,25.45 77.35,28.77 78.03,29.45 J9.A9 ; 78.25,24.55 J9.A4
/QSPI_SCLK: length 3.3
  Top w0.15: U14.6 55.32,49.88 55.14,49.71 54.24,49.71 53.81,49.27 U15.52
/QSPI_SD0: length 2.5
  Top w0.15: U15.53 53.71,49.67 54.14,50.11 54.74,50.11 54.74,50.42 U14.5
/QSPI_SD1: length 8.1
  Top w0.15: U14.2 55.82,54.53 55.44,54.91 54.32,54.91 53.94,54.53 53.94,50.91 53.51,50.47 U15.55
/QSPI_SD2: length 7.6
  Top w0.15: U14.3 55.32,54.53 55.24,54.61 54.44,54.61 54.24,54.41 54.24,50.71 53.61,50.08 52.85,50.08
/QSPI_SD3: length 4.2
  Top w0.15: U14.7 55.82,49.58 55.64,49.41 54.44,49.41 53.91,48.88 52.85,48.88
/QSPI_SS: length 10.8
  Top w0.15: R16.2 57.39,53.5 U14.1 56.32,54.63 55.74,55.21 54.19,55.21 53.64,54.65 53.64,51.11 53.41,50.88 52.85,50.88
  Top w0.2: R16.2 57.39,54.52
BOOT1: length 70
  Top w0.2: v1(3.9,33.9) 3.72,33.9 2.9,33.08 2.9,24.91 2.04,24.05 J1.50 ; U15.14 45.29,51.71 42.8,54.2 35.9,54.2 33.3,51.6 33.3,46.1 v1(32.8,45.6)
  Bottom w0.2: v1(3.9,33.9) 4.9,34.9 8.6,34.9 10.4,33.1 16.4,33.1 18.6,35.3 24.4,35.3 32.1,43 32.1,44.9 v1(32.8,45.6)
BOOT2: length 51.2
  Top w0.2: v1(34.6,43.6) 35,44 35,51 36.55,52.55 42.35,52.55 45.23,49.67 U15.18 ; v1(18.9,33) 18.9,24.7 18.25,24.05 J2.50
  Bottom w0.2: v1(18.9,33) 19.6,33.7 25.1,33.7 33.7,42.3 33.7,42.7 v1(34.6,43.6)
BOOT3: length 33.3
  Top w0.2: J3.50 34.29,24.05 34.9,24.66 34.9,33.4 v1(35,33.5) ; v1(37,42.7) 37.35,43.05 39.05,43.05 39.4,42.7 44.58,42.7 45.88,44 47,44 47.22,44.22 U15.30
  Bottom w0.2: v1(37,42.7) 37.52,42.18 37.52,36.02 v1(35,33.5)
BOOT4: length 27.1
  Top w0.2: v1(48.8,42.19) 49.03,42.42 49.03,42.53 49.22,42.72 U15.35 ; v1(51.7,35.6) 51.65,35.55 51.15,35.55 50.2,34.6 50.2,24.67 49.58,24.05 J4.50
  Bottom w0.2: v1(48.8,42.19) 48.8,41.91 49.51,41.2 51.6,41.2 52.9,39.9 52.9,39.79 53.65,39.04 53.65,36.96 52.29,35.6 v1(51.7,35.6)
CFG_SEL0: length 15.1
  Top w0.2: v1(70.6,35.1) 70.57,35.07 70.57,34.45 ; U6.6 69.19,32.15 70.57,33.53 70.57,34.5
  Top w0.25: R21.2 71.55,40.9 70.5,41.95 U4.41
  Bottom w0.2: v1(70.6,35.1) 70.6,39.9 v1(71.6,40.9)
  Bottom w0.25: v1(70.6,35.1) 70.6,33.35 JP1.1
CFG_SEL1: length 2.5
  Top w0.25: U4.42 70.65,42.45 71.2,41.9 R29.2
CFG_SEL2: length 1.9
  Top w0.2: R175.1 59.27,39.45 U4.13
DISABLE_8051: length 31.8
  Top w0.15: 30.08,3.03 30.52,2.59 30.52,1.7 29.52,0.7 28.8,0.7 19.9,0.7 17.8,2.8 17.8,6.3 15,9.1 10.7,9.1 9.95,9.85 8.05,9.85 7.9,10 7.9,10.4
  Top w0.3: R54.2 R55.1
DISABLE_AUTOLOAD: length 32.1
  Top w0.15: 30.36,3.31 30.83,2.85 30.83,1.58 29.65,0.4 28.92,0.4 19.78,0.4 19.68,0.5 17.5,2.68 17.5,6.1 14.85,8.75 8.05,8.75 7.9,8.9 7.9,9.2
  Top w0.3: R56.2 R57.1
EEPROM_MODE: length 28.7
  Top w0.15: 28.38,2.75 28.05,2.42 28.05,2.15 27.8,1.9 20.4,1.9 19,3.3 19,7.02 15.72,10.3 12.1,10.3 10.35,12.05 8.15,12.05 7.9,12.3 7.9,12.6
  Top w0.3: R50.2 R51.1
EN1: length 53.6
  Top w0.2: J1.11 v1(8.3,33.8) ; U15.16 45.42,50.47 42.5,53.4 36.2,53.4 34.1,51.3 34.1,45 v1(33.8,44.7)
  Bottom w0.2: v1(8.3,33.8) 9.8,32.3 16.8,32.3 19,34.5 24.7,34.5 32.9,42.7 32.9,43.8 v1(33.8,44.7)
EN2: length 28.4
  Top w0.2: U15.28 45.98,45.18 44.3,43.5 40,43.5 39.6,43.9 36.4,43.9 v1(34.6,42.1) ; J2.11 26.6,33.8 v1(26.7,33.9)
  Bottom w0.2: v1(34.6,42.1) 34.6,42 26.7,34.1 v1(26.7,33.9)
EN3: length 21
  Top w0.2: J3.11 38.67,33.8 38.4,34.07 38.4,38.01 38.8,38.41 ; v1(38.4,42.1) 38.6,41.9 44.8,41.9 46.1,43.2 47.5,43.2 48.02,43.72 U15.32
  Bottom w0.2: v1(38.4,42.1) 38.4,38.8 38.8,38.4
  vias: v1(38.8,38.41)
EN4: length 15
  Top w0.2: v1(54.3,35.8) 54.3,34.22 54.71,33.8 J4.11 ; v1(49.99,42.02) 50.02,42.05 U15.37
  Bottom w0.2: v1(54.3,35.8) 54.5,36 54.5,39.6 52.08,42.02 v1(49.99,42.02)
EN_EEE: length 55.5
  Top w0.15: v1(7.17,6.5) 7.42,6.75 R60.2 ; U1.81 33.97,5.93 34.11,5.93 34.54,5.5 v1(34.54,5.49)
  Top w0.3: R60.2 R61.1
  Bottom w0.15: R166.2 4.23,12.95 4.23,8.45 6.18,6.5 v1(7.17,6.5) 7.3,6.38 7.3,1.7 8.4,0.6 11.57,0.6 11.58,0.6 17.42,0.6 17.43,0.6 36.83,0.6 38.75,2.52 38.75,3.82 37.09,5.48 34.55,5.48 v1(34.54,5.49)
EN_SPIFLASH: length 32
  Top w0.15: 7.9,11.5 7.9,11.2 8.15,10.95 10.45,10.95 10.7,10.7 10.7,9.6 10.9,9.4 15.2,9.4 18.1,6.5 18.1,2.93 20.03,1 28.67,1 29.4,1 30.22,1.82 30.22,2.32 29.8,2.75
  Top w0.3: R52.2 R53.1
ETH1_P0+: length 11.7
  Top w0.2: J1.29 9.91,29.3 15.3,23.91 C105.1
ETH1_P0-: length 10.6
  Top w0.2: J1.31 9.52,28.8 14.4,23.92 C106.1
ETH1_P1+: length 8
  Top w0.2: C107.1 12.6,23.69 8.99,27.3 J1.37
ETH1_P1-: length 9.1
  Top w0.2: C108.1 13.5,23.72 9.42,27.8 J1.35
ETH1_P2+: length 6.5
  Top w0.2: J1.41 8.79,26.3 11.6,23.49 C111.1
ETH1_P2-: length 5.4
  Top w0.2: C112.1 10.6,23.78 8.58,25.8 J1.43
ETH1_P3+: length 2.9
  Top w0.2: J1.49 8.21,24.3 8.7,23.81 C109.1
ETH1_P3-: length 3.9
  Top w0.2: J1.47 8.36,24.8 9.6,23.55 C110.1
ETH2_P0+: length 11.7
  Top w0.2: J2.29 26.13,29.3 31.3,24.13 C113.1
ETH2_P0-: length 10.5
  Top w0.2: J2.31 25.54,28.8 30.4,23.94 C114.1
ETH2_P1+: length 8
  Top w0.2: J2.37 25.13,27.3 28.55,23.88 C115.1
ETH2_P1-: length 9.1
  Top w0.2: J2.35 25.42,27.8 29.5,23.72 C116.1
ETH2_P2+: length 6.7
  Top w0.2: C117.1 27.6,23.9 25.2,26.3 J2.41
